# Altium PCB PCB1.PcbDoc (part 2 of 2)
Units mil, origin at the board's own origin, x right, y up, seen from the top; angles counter-clockwise.
Board outline 3031.5 x 3622.05 mil, 2 copper layers (Top Layer, Bottom Layer); 135 components, 132 nets, 565 pads, 121 vias.
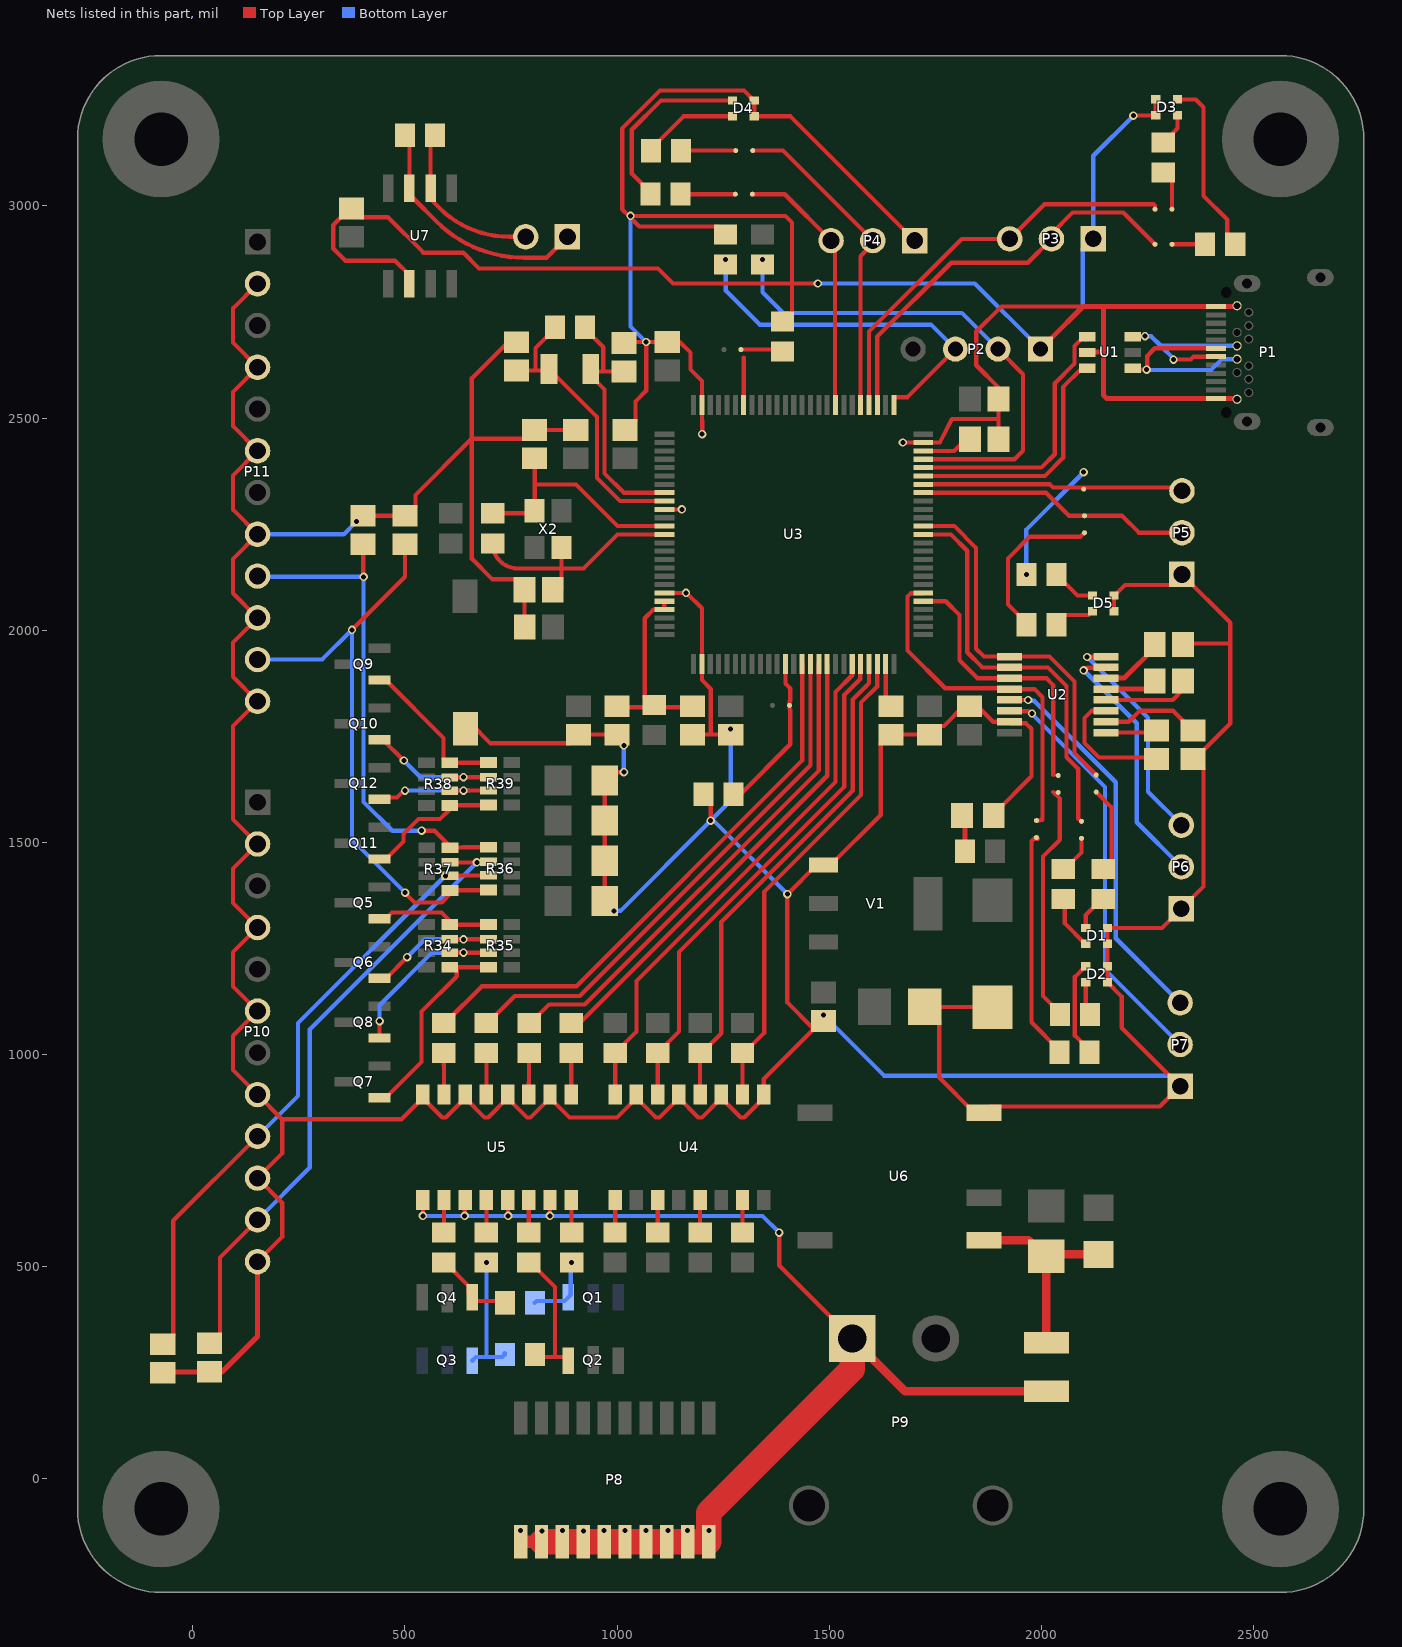
[diagram p2: the nets of this part, all layers, seen from the top]

## Via types
v1: diameter 19.68, hole 11.81, Top Layer to Bottom Layer, tented both sides, 121 vias

## Nets (pads, with @x,y where several pads share a name; then routed paths per layer and width w, separated by ;. In a path a pad name is that pad's centre, name@x,y a point inside that pad or via, vN(x,y) a via of type N, cw(c..) or ccw(c..) an arc to the next point about the centre after c; other vN are vias at no path point) (continued)
GND: C1.1 C3.1 C5.1 C6.1 C7.2 C8.2 C9.2 C10.2 C11.2 C12.2 C13.2 C14.2 C15.2 C16.1 C17.1 C18.1 C20.1 C21.2 C22.2 C24.2 C25.1 C26.2 C27.2 C28.2 C29.2 C30.2 C31.2 D1.1 D1.2 D2.1 D2.2 D3.1 D3.2 D4.1 D4.2 D5.1 D5.2 D7.2 D8.1 D9.1 D10.1 D11.1 P1.A1 P1.A12 P1.B1 P1.B12 P2.1 P3.1 P4.1 P5.1 P6.1 P7.1 P10.2 P10.4 P10.6 P10.8 P10.10 P10.12 P11.2 P11.4 P11.6 P11.8 P11.10 P11.12 R1.2 R7.2 R9.2 SW1.1 U1.2 U2.15 U3.10 U3.20 U3.27 U3.74 U3.99 U4.9 U4.11 U4.13 U4.15 U5.2 U5.4 U5.6 U5.8 U6.4 U7.2 V1.1 | length 21663.6
  Top Layer w10: P10.12@152.54,511.94 210.6,569.99 210.6,650.73 P10.10@152.54,708.79 210.6,766.84 210.6,847.58 ; P11.2@152.54,2816.58 94.49,2758.53 94.49,2677.79 P11.4@152.54,2619.73 94.49,2561.68 94.49,2480.94 P11.6@152.54,2422.88 94.49,2364.83 94.49,2284.09 P11.8@152.54,2226.03 94.49,2167.98 94.49,2087.24 P11.10@152.54,2029.18 94.49,1971.13 94.49,1890.39 P11.12@152.54,1832.33 94.49,1774.28 94.49,1554.24 P10.2@152.54,1496.19 94.49,1438.13 94.49,1357.39 P10.4@152.54,1299.34 94.49,1241.28 94.49,1160.54 P10.6@152.54,1102.49 94.49,1044.43 94.49,963.69 P10.8@152.54,905.64 210.6,847.58 ; C29.2@401.57,2269.69 C30.2@500,2269.69 503.94,2269.69 524.53,2290.28 524.53,2318.55 657.48,2451.5 ; U7.2@510.43,2816.93 510.43,2836.93 476.64,2870.72 359.78,2870.72 330.91,2899.59 330.91,2954.93 370.08,2994.09 C31.2@374.02,2994.09 394.61,2973.5 459.57,2973.5 543.31,2889.76 637.25,2889.76 674.66,2852.36 1096.46,2852.36 1131.63,2817.19 1412.32,2817.19 ; U5.8@541.94,905.4 U5.8@541.94,897.53 ; U5.6@641.94,905.4 U5.6@641.94,897.53 ; SW1.1@653.79,1790.93 653.79,1781.09 701.53,1733.35 888.86,1733.35 C18.1@909.45,1753.94 C15.2@1000,1753.94 ; 657.48,2454.18 657.48,2593.62 742.65,2678.79 C8.2@762.7,2678.79 ; C6.1@781.95,2007.87 781.5,2008.33 C22.2@781.5,2095.39 781.5,2099.33 760.91,2119.92 706.26,2119.92 657.48,2168.69 657.48,2451.5 ; U5.2@841.94,905.4 U5.2@841.94,897.53 ; C17.1@902.46,2472.09 C21.2@805.69,2472.09 785.1,2451.5 657.48,2451.5 ; D11.1@970.72,1338.58 D11.1@970.72,1362.2 D10.1@970.72,1456.69 D9.1@970.72,1551.18 D8.1@970.72,1645.67 991.53,1666.48 992.66,1665.35 v1(1015.75,1665.35) ; C7.2@1016.32,2676.82 1018.64,2679.13 v1(1068.37,2679.13) ; C16.1@1018.69,2472.09 1022.63,2472.09 1043.22,2492.68 1043.22,2539.31 1068.37,2564.47 v1(1068.37,2679.13) ; U4.15@1045.46,905.4 U4.15@1045.46,897.53 ; U3.20@1111.2,2087.89 v1(1162.38,2087.89) 1163.59,2087.89 1199.79,2051.69 U3.27@1199.79,1920.57 1199.79,1882.49 1220.6,1861.67 1220.6,1753.94 ; U3.10@1111.2,2284.74 v1(1152.32,2284.74) ; C20.1@1177.17,1753.94 1220.6,1753.94 ; v1(1200.33,2461.91) U3.99@1199.79,2530.8 1199.79,2587.61 1172.6,2614.8 1172.6,2654.17 1147.64,2679.13 C12.2@1118.11,2679.13 v1(1068.37,2679.13) ; R9.2@1203.74,1613.19 1220.6,1596.32 v1(1220.6,1551.18) ; R1.2@1255.46,2933.07 1236.84,2951.69 1052.24,2951.69 v1@1027.56,2976.38 ; C13.2@1267.72,1753.94 1220.6,1753.94 ; U4.9@1345.46,897.53 1299.65,851.73 1291.26,851.73 1245.46,897.53 1199.65,851.73 1191.26,851.73 1145.46,897.53 1099.65,851.73 1091.26,851.73 U4.15@1045.46,897.53 ; U4.9@1345.46,905.4 1345.46,942.04 1463.52,1060.1 1401.14,1122.48 v1(1401.14,1377.92) 1469.65,1446.42 V1.1@1486.38,1446.42 1503.11,1446.42 1621.14,1564.45 1621.14,1733.35 1641.73,1753.94 C9.2@1645.67,1753.94 C14.2@1736.22,1753.94 1756.81,1774.53 1770.03,1774.53 1816.37,1820.87 C1.1@1830.71,1820.87 1849.27,1820.87 1885.75,1784.38 U2.15@1924.19,1784.38 1928.05,1780.52 1963.57,1780.52 1976.38,1767.72 1976.38,1655.83 1887.8,1567.24 D7.2@1887.8,1563.31 ; R7.2@1389.76,2727.69 1393.7,2727.69 1412.32,2746.31 1412.32,2817.19 ; v1(1473.18,2817.19) 1412.32,2817.19 ; v1(1673.23,2442.22) U3.74@1721.44,2442.22 1760.24,2442.22 1789,2497.69 1898.61,2497.69 ; P4.1@1701.05,2918.29 1408.29,3211.05 D4.1@1322.99,3211.05 D4.2@1322.99,3248.45 1322,3248.45 1298.8,3271.65 1101.25,3271.65 1011.81,3182.21 1011.81,2992.13 v1@1027.56,2976.38 ; C24.2@1724.67,1112.49 C24.2@1725.3,1111.86 ; C26.2@1884.83,1111.86 C24.2@1725.3,1111.86 ; C10.2@1898.61,2450.05 1898.61,2497.69 ; P2.1@1997.64,2662.38 P2.1@2022.17,2686.91 ; 2098.03,2762.78 1905.51,2762.78 1846.46,2703.72 1846.46,2624.28 1898.61,2572.13 C11.2@1898.61,2544.54 1898.61,2497.69 ; D5.1@2171.26,2044.29 D5.2@2171.26,2081.69 2172.24,2081.69 2197.09,2106.54 2306.15,2106.54 P5.1@2331.15,2131.54 2444.88,2017.81 2444.88,1968.5 ; v1(2216.54,3212.6) 2217.03,3213.09 2269.02,3213.09 D3.2@2269.51,3213.58 D3.1@2269.51,3250.98 ; C5.1@2333.65,1966.47 2335.68,1968.5 2444.88,1968.5 ; C3.1@2374.71,1679.06 C3.1@2357.27,1696.5 C3.1@2361.2,1696.5 ; 210.6,847.58 491.99,847.58 U5.8@541.94,897.53 ; U5.8@541.94,897.53 587.74,851.73 596.13,851.73 U5.6@641.94,897.53 ; U5.6@641.94,897.53 687.74,851.73 696.13,851.73 741.94,897.53 787.74,851.73 796.13,851.73 U5.2@841.94,897.53 ; U5.2@841.94,897.53 887.74,851.73 999.65,851.73 U4.15@1045.46,897.53 ; v1@1027.56,2976.38 v1(1031.5,2976.38) 1396.4,2976.38 1412.32,2960.46 1412.32,2817.19 ; C24.2@1725.3,1111.86 1759.04,1078.12 1759.04,946.08 1842.52,862.6 U6.4@1864.17,862.6 1878.86,877.28 2278.86,877.28 P7.1@2326.77,925.2 2188.98,1062.99 2188.98,1136.81 D2.1@2155.51,1170.28 D2.2@2155.51,1207.68 D1.1@2155.51,1260.83 D1.2@2155.51,1298.23 2284.22,1298.23 P6.1@2329.71,1343.71 2381.8,1395.8 2381.8,1675.91 C3.1@2361.2,1696.5 ; C3.1@2361.2,1696.5 2444.88,1780.18 2444.88,1968.5
  Top Layer w11.81: C27.2@-70.87,250 -69.09,251.77 68.7,251.77 152.54,335.61 P10.12@152.54,511.94 ; P2.1@2022.17,2686.91 2098.03,2762.78 2145.67,2762.78 ; U1.2@2107.78,2654.51 2108.78,2655.51 2145.67,2655.51 ; P1.A12@2410.06,2762.78 2145.67,2762.78 ; P1.A12@2411.42,2762.78 2456.39,2762.78 2457,2763.39 P1.B1@2461.02,2763.39 ; P1.B12@2461.02,2542.91 2458.36,2542.91 2455.03,2546.24 P1.A1@2411.42,2546.24 2153.54,2546.24 2145.67,2554.12 2145.67,2655.51 ; 2145.67,2655.51 2145.67,2762.78
  Bottom Layer w10: P11.8@152.54,2226.03 355.95,2226.03 v1(385.83,2255.91) ; v1(992.13,1338.58) 1008.01,1338.58 v1(1220.6,1551.18) ; v1@1016.14,1728.35 v1(1015.75,1728.35) v1(1015.75,1665.35) v1@1021.5,1665.35 ; v1(1031.5,2976.38) 1031.5,2716.01 v1(1068.37,2679.13) ; v1(1267.72,1767.72) 1267.72,1598.29 v1(1220.6,1551.18) ; v1(1401.14,1377.92) 1229.73,1549.33 1222.46,1549.33 v1(1220.6,1551.18) ; v1(1473.18,2817.19) 1842.84,2817.19 P2.1@1997.64,2662.38 2097.05,2761.79 2097.05,2897.23 P3.1@2122.05,2922.23 2122.05,3118.11 v1(2216.54,3212.6) ; v1(1486.38,1092.8) 1628.99,950.2 2301.77,950.2 P7.1@2326.77,925.2
IN0: R13.1 U3.45 U4.16 | length 1246.6
  Top Layer w10: U4.16@995.46,905.4 995.46,934.02 R13.1@995.46,1003.91 1045.46,1053.91 1045.46,1173.06 1514.92,1642.53 1514.92,1854.51 1554.12,1893.7 U3.45@1554.12,1920.57
IN1: R15.1 U3.46 U4.14 | length 1213.3
  Top Layer w10: U4.14@1095.46,905.4 R15.1@1095.46,1003.91 1145.67,1054.12 1145.67,1241.53 1535.43,1631.29 1535.43,1847.88 1572.8,1885.25 1572.8,1919.57 U3.46@1573.8,1920.57
IN2: R17.1 U3.47 U4.12 | length 1182.3
  Top Layer w10: U4.12@1195.46,905.4 1195.46,934.02 R17.1@1195.46,1003.91 1199.39,1003.91 1245.46,1049.97 1245.46,1312.48 1555.12,1622.15 1555.12,1836.61 1593.49,1874.98 U3.47@1593.49,1920.57
IN3: R19.1 U3.48 U4.10 | length 1149.1
  Top Layer w10: U4.10@1295.46,905.4 1295.46,934.02 R19.1@1295.46,1003.91 1299.39,1003.91 1346.46,1050.97 1346.46,1383.44 1574.8,1611.78 1574.8,1829.27 1613.17,1867.64 U3.48@1613.17,1920.57
NetC2_1: C2.1 U2.1 | length 118.1
  Top Layer w10: U2.1@2152.55,1758.79 2152.62,1758.87 C2.1@2270.65,1758.87
NetC2_2: C2.2 U2.3 | length 300.9
  Top Layer w10: U2.3@2152.55,1809.97 2118.09,1809.97 2101.36,1793.24 2101.36,1733.91 2135.53,1699.74 C2.2@2270.65,1699.74
NetC3_2: C3.2 U2.2 | length 240.1
  Top Layer w10: U2.2@2156.4,1788.24 U2.2@2152.55,1784.38 2205.64,1784.38 2231.23,1809.97 2310.73,1809.97 C3.2@2357.27,1763.43
NetC4_1: C4.1 U2.5 | length 118.7
  Top Layer w11.81: U2.5@2152.55,1861.15 2255.89,1861.15 C4.1@2266.72,1871.98
NetC4_2: C4.2 U2.4 | length 203.3
  Top Layer w10: U2.4@2152.55,1835.56 2309.32,1835.56 2333.65,1859.89 C4.2@2333.65,1871.98
NetC5_2: C5.2 U2.6 | length 143.9
  Top Layer w11.81: U2.6@2152.55,1886.74 2153.53,1887.73 2195.85,1887.73 C5.2@2266.72,1958.6
NetC7_1: C7.1 R10.2 U3.8 X1.2 | length 622.8
  Top Layer w10: R10.2@923.95,2714.22 923.95,2710.28 967.51,2666.73 967.51,2609.89 ; C7.1@1016.32,2609.89 967.51,2609.89 ; U3.8@1111.2,2324.11 1015.88,2324.11 970.26,2369.73 970.26,2567.52 937.73,2600.05 X1.2@937.73,2615.8 943.64,2609.89 967.51,2609.89
NetC8_1: C8.1 R10.1 U3.9 X1.1 | length 684.5
  Top Layer w10: C8.1@762.7,2611.86 807.58,2611.86 ; R10.1@853.09,2714.22 853.09,2710.28 807.58,2664.78 807.58,2611.86 ; U3.9@1111.2,2304.43 1006.93,2304.43 952.26,2359.09 952.26,2502.84 X1.1@839.31,2615.8 835.37,2611.86 807.58,2611.86
NetC9_1: C9.1 U3.49 | length 105
  Top Layer w10: U3.49@1632.86,1920.57 1632.86,1833.68 C9.1@1645.67,1820.87
NetC10_1: C10.1 U3.73 | length 121.6
  Top Layer w10: U3.73@1721.44,2422.54 1794.45,2422.54 1821.96,2450.05 C10.1@1831.68,2450.05
NetC15_1: C15.1 C20.2 R11.2 U3.21 U3.22 | length 450
  Top Layer w10: C15.1@996.06,1818.44 R11.2@1070.25,1818.44 ; R11.2@1087.62,1818.44 C20.2@1172.7,1818.44 ; R11.2@1087.62,1823.41 1083.68,1823.41 1065.06,1842.03 1065.06,2028.2 1085.38,2048.52 U3.22@1111.2,2048.52 U3.21@1111.2,2068.21
NetC21_1: C21.1 R12.2 U3.12 X2.3 | length 570.5
  Top Layer w10: R12.2@706.6,2275.61 791.6,2275.61 ccw(c791.6,2295.54) X2.3@805.69,2281.44 805.69,2343.31 ; C21.1@805.69,2405.17 805.69,2343.31 ; U3.12@1111.2,2245.37 1001.07,2245.37 903.13,2343.31 805.69,2343.31
NetC22_1: C22.1 R12.1 U3.13 X2.1 | length 571.5
  Top Layer w10: R12.1@706.6,2204.74 ccw(c765.71,2204.74) 765.71,2145.63 868.68,2145.63 ; C22.1@867.65,2095.39 ccw(c867.65,2096.42) 868.68,2096.42 868.68,2145.63 ; X2.1@868.68,2194.83 868.68,2145.63 ; U3.13@1111.2,2225.69 1001.11,2225.69 921.05,2145.63 868.68,2145.63
NetC23_2: C23.2 D6.1 F1.2 U6.1 | length 495.7
  Top Layer w20: U6.1@1864.17,562.6 1969.46,562.6 C23.2@2003.15,528.91 ; F1.2@2011.03,321.65 C23.2@2011.03,521.03 ; C23.2@2018.63,528.91 D6.1@2134.3,528.91
  Top Layer w35: F1.2@2011.03,321.65 F1.2@2011.81,320.87 ; C23.2@2011.03,521.03 2003.15,528.91 C23.2@2018.63,528.91
NetC27_1: C27.1 P10.9 R36.3 R37.2 | length 1499.7
  Top Layer w10: C27.1@-70.87,316.93 -66.93,316.93 -46.34,337.52 -46.34,608.33 P10.9@152.54,807.21 ; R37.2@605.76,1425.2 607.14,1423.82 608.52,1425.2 612.46,1421.26 613.32,1422.12 R36.3@691.01,1422.12 ; R36.3@696.85,1422.43 694.09,1425.2 R36.3@691.01,1422.12 ; R36.3@711.6,1422.12 R36.3@691.01,1422.12
  Bottom Layer w10: P10.9@152.54,807.21 248.03,902.7 248.03,1074.21 v1(595.07,1421.26)
NetC28_1: C28.1 P10.11 R36.2 R37.3 | length 1493
  Top Layer w10: C28.1@39.37,319.6 43.31,319.6 63.9,340.19 63.9,521.72 P10.11@152.54,610.36 ; R37.3@605.76,1456.69 607.14,1455.31 608.52,1456.69 612.46,1452.75 v1(669.29,1452.76) 690.14,1452.76 694.09,1456.69 R36.2@696.85,1453.93
  Bottom Layer w10: P10.11@152.54,610.36 275.59,733.41 275.59,1059.06 v1(669.29,1452.76)
NetC29_1: C29.1 P11.9 R36.1 R37.4 | length 1203.1
  Top Layer w10: C29.1@401.57,2202.76 401.57,2126.97 v1(402.56,2125.98) ; v1(539.37,1527.56) 569.48,1527.56 606.3,1490.74 R37.4@606.3,1487.2 606.79,1487.7 635.73,1487.7 636.32,1488.28 696.76,1488.28 R36.1@696.85,1488.38 R36.1@695.47,1489.76
  Bottom Layer w10: P11.9@152.54,2127.61 153.7,2128.76 156.48,2125.98 v1(402.56,2125.98) 402.56,1595.22 470.22,1527.56 v1(539.37,1527.56)
NetC30_1: C30.1 P11.11 R36.4 R37.1 | length 1402.1
  Top Layer w10: v1(375,2000.98) 500,2125.98 C30.1@500,2202.76 ; v1(500.43,1381.65) 500.43,1380.49 522.65,1358.27 586.61,1358.27 606.3,1377.95 R37.1@606.3,1386.81 606.89,1387.4 692.71,1387.4 695.07,1389.76 R36.4@696.85,1387.99
  Bottom Layer w10: P11.11@152.54,1930.76 304.77,1930.76 v1(375,2000.98) 375,1507.08 v1(500.43,1381.65)
NetD1_3: D1.3 R3.2 | length 87.3
  Top Layer w10: D1.3@2104.33,1298.23 2104.33,1328.74 2141.73,1366.14 R3.2@2145.67,1366.14
NetD1_4: D1.4 R4.2 | length 130.2
  Top Layer w10: R4.2@2051.18,1366.14 2055.12,1366.14 2055.12,1309.05 2103.35,1260.83 D1.4@2104.33,1260.83
NetD2_3: D2.3 R40.2 | length 227.7
  Top Layer w10: D2.3@2104.33,1207.68 2103.35,1207.68 2078.74,1183.07 2078.74,1044.47 2113.69,1009.52 R40.2@2113.69,1005.58
NetD2_4: D2.4 R41.2 | length 79.9
  Top Layer w10: D2.4@2104.33,1170.28 2104.33,1104.33 R41.2@2114.17,1094.49
NetD3_3: D3.3 R43.1 | length 81.1
  Top Layer w10: R43.1@2287.4,3149.61 2291.34,3149.61 2309.96,3168.23 2309.96,3172.17 2320.69,3182.9 D3.3@2320.69,3213.58 D3.3@2321.68,3213.58
NetD3_4: D3.4 R42.1 | length 422.9
  Top Layer w10: D3.4@2320.69,3250.98 2363.5,3250.98 2381.89,3232.6 2381.89,3023.62 2438.07,2967.44 2438.07,2928.07 R42.1@2456.69,2909.45
NetD4_3: D4.3 R45.1 | length 435.8
  Top Layer w10: R45.1@1078.71,3027.9 1078.71,3031.83 1034.44,3076.11 1034.44,3179.38 1103.5,3248.45 D4.3@1271.81,3248.45
NetD4_4: D4.4 R44.1 | length 227.9
  Top Layer w10: R44.1@1079.71,3130.26 1079.71,3134.2 1156.56,3211.05 D4.4@1271.81,3211.05
NetD5_3: D5.3 R6.1 | length 107.8
  Top Layer w10: R6.1@2035.21,2131.42 2035.21,2127.48 2053.84,2108.86 2057.77,2108.86 2084.94,2081.69 D5.3@2120.08,2081.69
NetD5_4: D5.4 R5.1 | length 100
  Top Layer w10: R5.1@2035.21,2013.31 2035.21,2017.24 2053.84,2035.87 2110.67,2035.87 2119.09,2044.29 D5.4@2120.08,2044.29
NetD7_1: D7.1 R33.2 | length 87.2
  Top Layer w11.81: D7.1@1812.99,1563.31 1819.9,1556.4 R33.2@1819.9,1479.01
NetP1_A6: P1.A6 P1.B6 U1.6 | length 403.1
  Top Layer w10: U1.6@2215.06,2691.91 2243.09,2691.91 v1(2244.09,2692.91) ; v1(2311.02,2637.8) 2351.73,2637.8 2358.6,2644.67 P1.A6@2411.42,2644.67
  Bottom Layer w10: v1(2244.09,2692.91) 2258.53,2692.91 2281.18,2670.26 ; v1@2312.33,2639.11 2281.18,2670.26 ; P1.B6@2461.02,2670.26 2281.18,2670.26
NetP1_A7: P1.A7 P1.B7 U1.4 | length 461.6
  Top Layer w10: U1.4@2215.06,2617.11 2216.06,2618.11 2220,2614.17 v1(2248.03,2614.17) 2249.2,2615.34 2249.2,2646.47 2267.08,2664.35 P1.A7@2411.42,2664.35
  Bottom Layer w10: v1(2248.03,2614.17) 2249.25,2612.95 2399.39,2612.95 2425.2,2638.76 P1.B7@2461.02,2638.76
NetP6_2: P6.2 U2.7 | length 614.5
  Top Layer w10: v1(2099.55,1905.51) 2102.17,1905.51 2108.02,1911.36 2151.57,1911.36 U2.7@2152.55,1912.34
  Bottom Layer w10: v1(2099.55,1905.51) 2224.41,1780.65 2224.41,1547.44 P6.2@2329.71,1442.14
NetP6_3: P6.3 U2.8 | length 533.5
  Top Layer w10: v1(2107.78,1937.01) 2108.24,1937.47 2152.09,1937.47 U2.8@2152.55,1937.93
  Bottom Layer w10: v1(2107.78,1937.01) 2250.97,1793.82 2250.97,1619.3 P6.3@2329.71,1540.56
NetP7_2: P7.2 U2.14 | length 980.7
  Top Layer w10: U2.14@1924.19,1809.97 1925.17,1809 1969.74,1809 1975.08,1803.66 v1(1977.7,1803.66)
  Bottom Layer w10: v1(1977.7,1803.66) 1977.7,1802.64 2149.61,1630.73 2149.61,1200.79 P7.2@2326.77,1023.62
NetP7_3: P7.3 U2.13 | length 913.5
  Top Layer w10: U2.13@1924.19,1835.56 v1(1968.5,1835.56)
  Bottom Layer w10: v1(1968.5,1835.56) 1970.36,1833.71 1982.78,1833.71 2174.92,1641.57 2174.92,1273.9 P7.3@2326.77,1122.05
NetP12_1: P12.1 R46.1 U7.7 | length 584.2
  Top Layer w10: R46.1@500,3166.34 510.43,3155.91 U7.7@510.43,3041.34 ccw(c545.13,3041.34) 520.59,3016.81 574.1,2963.31 ccw(c780.16,3169.37) 780.16,2877.95 833.62,2877.95 P12.1@882.86,2927.19
NetP12_2: P12.2 R46.2 U7.6 | length 405.3
  Top Layer w10: R46.2@570.87,3166.34 560.43,3155.91 U7.6@560.43,3041.34 560.43,3016.24 581.39,2995.28 ccw(c745.78,3159.67) 745.78,2927.19 P12.2@784.43,2927.19
NetQ1_1: Q1.1 R21.1 R24.1 | length 169
  Bottom Layer w10: R21.1@806.09,415.01 810.1,419.03 876.05,419.03 Q1.1@884.83,427.81 890.85,433.83 890.85,507.64 v1(892.7,509.5)
NetQ2_1: Q2.1 R22.1 R26.1 | length 335.1
  Top Layer w10: R26.1@791.94,509.5 795.87,509.5 853.33,452.04 853.33,286.98 ; R22.1@806.09,292.96 812.07,286.98 853.33,286.98 ; Q2.1@884.83,278.2 876.05,286.98 853.33,286.98
NetQ3_1: Q3.1 R27.1 R30.1 | length 311.1
  Top Layer w10: v1(691.94,509.5) R30.1@695.87,509.5
  Bottom Layer w10: Q3.1@658.54,278.2 667.32,286.98 691.94,286.98 729.24,286.98 R27.1@735.22,292.96 R27.1@735.22,296.9 ; 691.94,289.02 v1(691.94,509.5)
NetQ4_1: Q4.1 R28.1 R32.1 | length 193.9
  Top Layer w10: R32.1@591.14,509.5 595.07,509.5 649.76,454.81 649.76,436.58 Q4.1@658.54,427.81 667.32,419.03 731.2,419.03 R28.1@735.22,415.01
NetQ5_1: Q5.1 R34.4 R35.1 | length 279.7
  Top Layer w10: Q5.1@440.19,1320.18 455.19,1320.18 469.67,1334.65 586.08,1334.65 605.76,1314.97 R34.4@605.76,1306.1 R35.1@696.85,1306.1
NetQ6_1: Q6.1 R34.3 R35.2 | length 311.8
  Top Layer w10: Q6.1@455.19,1179.57 v1(505,1229.38) ; R34.3@605.76,1271.65 630.44,1271.65 v1(637.8,1271.65) R35.2@696.85,1271.65
  Bottom Layer w10: v1(505,1229.38) 547.28,1271.65 v1(637.8,1271.65)
NetQ7_1: Q7.1 R34.1 R35.4 | length 482.6
  Top Layer w10: Q7.1@440.19,898.36 455.19,898.36 539.01,982.17 539.01,1101.23 622.05,1184.27 R34.1@622.05,1205.71 ; R34.1@605.76,1205.71 R34.1@622.05,1205.71 ; R35.4@696.85,1205.71 R34.1@622.05,1205.71
NetQ8_1: Q8.1 R34.2 R35.3 | length 432.3
  Top Layer w10: v1(440.19,1078.74) Q8.1@440.19,1038.97 Q8.1@455.19,1038.97 ; R34.2@605.76,1240.16 672.17,1240.16 R35.3@696.85,1240.16
  Bottom Layer w10: v1(440.19,1078.74) 440.19,1116.3 564.06,1240.16 v1(637.8,1240.16)
NetQ9_1: Q9.1 R38.4 R39.1 | length 367.6
  Top Layer w10: Q9.1@440.2,1882.6 454.61,1882.6 591.07,1746.14 591.07,1695.29 598.87,1687.49 R38.4@605.76,1687.49 606.14,1687.87 696.47,1687.87 R39.1@696.85,1688.25
NetQ10_1: Q10.1 R38.3 R39.2 | length 326.9
  Top Layer w10: Q10.1@440.2,1741.99 446.22,1743.84 v1(497.15,1692.91) ; R38.3@605.76,1653.05 606.26,1653.54 v1(637.8,1653.54) 696.35,1653.54 696.47,1653.42 R39.2@696.85,1653.8
  Bottom Layer w10: v1(497.15,1692.91) 536.64,1653.42 536.76,1653.54 v1(637.8,1653.54)
NetQ11_1: Q11.1 R38.1 R39.4 | length 324.9
  Top Layer w10: Q11.1@440.2,1460.78 455.2,1460.78 496.5,1502.08 496.5,1519.82 531.8,1555.12 582.68,1555.12 605.76,1578.2 R38.1@605.76,1587.1 606.14,1587.48 696.47,1587.48 R39.4@696.85,1587.86
NetQ12_1: Q12.1 R38.2 R39.3 | length 324.6
  Top Layer w10: Q12.1@440.2,1601.39 444.67,1605.86 481.2,1605.86 497.38,1622.05 v1(500,1622.05) ; R38.2@605.76,1621.55 606.26,1622.05 v1(637.8,1622.05) 696.35,1622.05 696.47,1621.93 R39.3@696.85,1622.31
  Bottom Layer w10: v1(500,1622.05) 500.06,1621.99 651.24,1621.99 651.19,1622.05 v1(637.8,1622.05)
NetR3_1: R3.1 SB7.1 | length 205.6
  Top Layer w10: SB7.1@2129.08,1618.79 2165.35,1582.51 2165.35,1455.63 2146.73,1437.01 R3.1@2145.67,1437.01
NetR4_1: R4.1 SB8.1 | length 92.8
  Top Layer w10: R4.1@2051.18,1437.01 2055.12,1437.01 2094.49,1476.38 SB8.1@2094.49,1509.6
NetR5_2: R5.2 SB5.2 | length 378.9
  Top Layer w10: R5.2@1964.35,2013.31 1964.35,2017.24 1921.26,2060.33 1921.26,2169.29 1972.44,2220.47 2092.18,2220.47 SB5.2@2101.36,2229.65
NetR6_2: R6.2 SB6.2 | length 296.9
  Bottom Layer w10: v1(1964.35,2131.42) 1964.35,2237.16 v1(2099.55,2372.36)
NetR7_1: R7.1 SB11.2 U3.94 | length 211.6
  Top Layer w10: SB11.2@1291.65,2661.42 1385.17,2661.42 R7.1@1389.76,2656.83 ; U3.94@1298.21,2530.8 1298.21,2642.35
NetR9_1: R9.1 SB12.2 U3.37 | length 378.2
  Top Layer w10: R9.1@1274.61,1613.19 1290.09,1613.19 1408.14,1731.24 1408.14,1812.05 1406.49,1813.7 1406.49,1822.49 SB12.2@1406.14,1822.83 1406.49,1823.18 1406.49,1831.97 1408.14,1833.62 1408.14,1862.59 1396.64,1874.1 U3.37@1396.64,1920.57
NetR14_1: R14.1 U4.1 | length 77
  Top Layer w10: R14.1@995.46,580.36 U4.1@995.46,657.37
NetR16_1: R16.1 U4.3 | length 77
  Top Layer w10: R16.1@1095.46,580.36 U4.3@1095.46,657.37
NetR18_1: R18.1 U4.5 | length 77
  Top Layer w10: R18.1@1195.46,580.36 1195.46,608.98 U4.5@1195.46,657.37
NetR20_1: R20.1 U4.7 | length 77
  Top Layer w10: R20.1@1295.46,580.36 1295.46,608.98 U4.7@1295.46,657.37
NetR23_1: R23.1 U5.1 | length 98.5
  Top Layer w10: R23.1@891.87,1003.91 891.87,975.28 891.94,975.22 U5.1@891.94,905.4
NetR24_2: R24.2 U5.16 | length 77.3
  Top Layer w10: U5.16@891.94,657.37 892.7,656.61 R24.2@892.7,580.36
NetR25_1: R25.1 U5.3 | length 98.7
  Top Layer w10: U5.3@791.94,905.4 791.94,934.02 792.5,934.59 R25.1@792.5,1003.91
NetR26_2: R26.2 U5.14 | length 77
  Top Layer w10: R26.2@791.94,580.36 791.94,628.75 U5.14@791.94,657.37
NetR29_1: R29.1 U5.5 | length 98.5
  Top Layer w10: U5.5@691.94,905.4 R29.1@691.91,1003.91
NetR30_2: R30.2 U5.12 | length 77
  Top Layer w10: R30.2@691.94,580.36 691.94,608.98 U5.12@691.94,657.37
NetR31_1: R31.1 U5.7 | length 98.8
  Top Layer w10: R31.1@591.14,1003.91 591.14,975.28 591.94,974.49 U5.7@591.94,905.4
NetR32_2: R32.2 U5.10 | length 77.3
  Top Layer w10: R32.2@591.14,580.36 591.14,595.31 591.94,596.11 U5.10@591.94,657.37
NetR40_1: R40.1 SB9.1 | length 542.7
  Top Layer w10: SB9.1@1992.13,1508.6 1982.45,1508.6 1976.38,1502.53 1976.38,1075.96 2042.82,1009.52 R40.1@2042.82,1005.58
NetR41_1: R41.1 SB10.1 | length 563.4
  Top Layer w10: 2027.56,1618.79 2043.31,1603.04 2043.31,1506.25 2003.94,1466.88 2003.94,1137.8 2043.31,1098.43 R41.1@2043.31,1094.49
NetR42_2: R42.2 SB1.1 | length 78.1
  Top Layer w10: SB1.1@2307.72,2909.45 R42.2@2385.83,2909.45
NetR43_2: R43.2 SB2.1 | length 101.3
  Top Layer w10: R43.2@2291.34,3074.8 R43.2@2287.4,3078.74 2288.78,3078.74 2307.4,3060.12 SB2.1@2307.4,2992.13
NetR44_2: R44.2 SB3.1 | length 129
  Top Layer w10: R44.2@1150.57,3130.26 SB3.1@1279.56,3130.26
NetR45_2: R45.2 SB4.1 | length 129.1
  Top Layer w10: R45.2@1149.57,3027.9 1149.89,3027.58 SB4.1@1278.56,3027.58
OUT0: R23.2 U3.42 | length 1108
  Top Layer w10: R23.2@891.87,1074.77 912.88,1074.77 1495.06,1656.96 U3.42@1495.06,1920.57
OUT1: R25.2 U3.41 | length 1180.2
  Top Layer w10: R25.2@792.5,1074.77 796.44,1074.77 839.78,1118.11 923.78,1118.11 1475.38,1669.71 U3.41@1475.38,1920.57
OUT2: R29.2 U3.40 | length 1254
  Top Layer w10: R29.2@691.91,1074.77 695.85,1074.77 758.87,1137.8 911.76,1137.8 1455.69,1681.72 U3.40@1455.69,1920.57
OUT3: R31.2 U3.39 | length 1328.6
  Top Layer w10: R31.2@591.14,1074.77 595.07,1074.77 681.15,1160.85 903.94,1160.85 1436.01,1692.91 U3.39@1436.01,1920.57
PWRGND: F1.1 P8.1 P8.3 P8.5 P8.7 P8.9 P8.11 P8.13 P8.15 P8.17 P8.19 P9.1 U5.9 U5.11 U5.13 U5.15 | length 2899.8
  Top Layer w10: U5.9@541.94,657.37 542.31,657 v1(542.31,619.73) ; v1(640.73,619.73) 640.73,656.17 U5.11@641.94,657.37 ; U5.13@741.94,657.37 743.09,656.21 v1(743.09,619.73) ; v1(841.52,619.73) 841.52,656.95 U5.15@841.94,657.37 ; v1(1381.89,580.36) 1381.89,503.06 P9.1@1554.12,330.84
  Top Layer w20: P9.1@1554.12,330.84 1678.61,206.35 F1.1@2011.81,206.35
  Top Layer w30: P8.1@772.62,-147.98 P8.3@821.83,-147.98
  Top Layer w60: P8.3@821.83,-147.98 P8.5@871.04,-147.98 P8.7@920.26,-147.98 P8.9@969.47,-147.98 P8.11@1018.68,-147.98 P8.13@1067.89,-147.98 P8.15@1117.11,-147.98 P8.17@1166.32,-147.98 P8.19@1215.53,-147.98 1215.53,-79.74 1554.12,258.84 P9.1@1554.12,330.84
  Bottom Layer w10: v1(542.31,619.73) v1(640.73,619.73) v1(743.09,619.73) v1(841.52,619.73) 1342.52,619.73 v1(1381.89,580.36)
  other v1: 822.83,-122.69 921.26,-122.69 772.25,-122.05 871.79,-122.05 969.47,-122.05 1018.68,-122.05 1068.37,-122.05 1120.08,-122.05 1165.35,-122.05 1216.54,-122.05
SWCLK: P2.3 R1.1 U3.76 | length 911.9
  Top Layer w10: R1.1@1255.46,2846.46 1255.28,2846.27 1255.9,2845.65 v1(1255.91,2874.02) ; U3.76@1652.54,2530.8 1652.54,2548.3 1653.54,2549.3 1684.56,2549.3 P2.3@1797.64,2662.38
  Bottom Layer w10: v1(1255.91,2874.02) 1255.91,2800.29 1336.11,2720.08 1739.94,2720.08 P2.3@1797.64,2662.38
SWDIO: P2.2 R2.1 U3.72 | length 1223.2
  Top Layer w10: R2.1@1342.52,2846.46 v1(1342.52,2874.02) ; U3.72@1721.44,2402.85 1936.66,2402.85 1956.69,2422.88 1956.69,2603.33 P2.2@1897.64,2662.38
  Bottom Layer w10: v1(1342.52,2874.02) 1342.52,2796.6 1391.43,2747.69 1812.34,2747.69 P2.2@1897.64,2662.38
UART4_RX: P3.3 SB2.2 U3.79 | length 985.2
  Top Layer w10: U3.79@1593.49,2530.8 1593.49,2703.72 1811.99,2922.23 1915.39,2922.23 1920.29,2917.32 P3.3@1925.2,2922.23 2006.91,3003.94 2264.22,3003.94 2267.4,3000.75 SB2.2@2267.4,2992.13
UART4_TX: P3.2 SB1.2 U3.78 | length 974.8
  Top Layer w10: U3.78@1613.17,2530.8 1613.17,2691.91 1787.4,2866.14 1967.54,2866.14 P3.2@2023.62,2922.23 2023.62,2934.35 2073.52,2984.25 2192.91,2984.25 SB1.2@2267.72,2909.45
UART5_RX: P4.3 SB4.2 U3.83 | length 622.8
  Top Layer w10: SB4.2@1318.56,3027.58 1394.9,3027.58 P4.3@1504.2,2918.29 1513.75,2908.74 1513.75,2531.8 U3.83@1514.75,2530.8
UART5_TX: P4.2 SB3.2 U3.80 | length 770.3
  Top Layer w10: SB3.2@1319.56,3130.26 1390.65,3130.26 P4.2@1602.62,2918.29 1602.62,2910.29 1573.8,2881.47 U3.80@1573.8,2530.8
USART1_RX: P5.3 SB6.1 U3.69 | length 617.5
  Top Layer w10: U3.69@1722.44,2344.8 U3.69@1721.44,2343.8 2019.78,2343.8 2027.21,2336.36 2099.55,2336.36 2323.18,2336.36 P5.3@2331.15,2328.39
USART1_TX: P5.2 SB5.1 U3.68 | length 648.7
  Top Layer w10: U3.68@1721.44,2324.11 2010.53,2324.11 2064.99,2269.65 SB5.1@2101.36,2269.65 2189.89,2269.65 2229.58,2229.97 P5.2@2331.15,2229.97
USART3_RX: SB9.2 U2.12 U3.56 | length 834.4
  Top Layer w10: U3.56@1721.44,2087.89 1720.44,2086.89 1692.22,2086.89 1684.56,2079.23 1684.56,1952.15 1773.39,1863.32 1922.03,1863.32 U2.12@1924.19,1861.15 1983.33,1861.15 2002.54,1841.95 2002.54,1553.5 1998.98,1553.5 1997.25,1551.77 SB9.2@1988.47,1551.77
USART3_TX: SB10.2 U2.11 U3.55 | length 662.5
  Top Layer w10: U3.55@1721.44,2068.21 1774.59,2068.21 1807.08,2035.72 1807.08,1929.06 1849.39,1886.74 U2.11@1924.19,1886.74 2011.78,1886.74 2027.56,1870.96 2027.56,1658.79
USART6_RX: SB7.2 U2.9 U3.64 | length 888.7
  Top Layer w10: U3.64@1721.44,2245.37 1794.71,2245.37 1845.97,2194.11 1845.97,1956.39 1864.43,1937.93 U2.9@1924.19,1937.93 2018.69,1937.93 2077.64,1878.98 2077.64,1710.23 SB7.2@2129.08,1658.79
USART6_TX: SB8.2 U2.10 U3.63 | length 960.6
  Top Layer w10: U3.63@1721.44,2225.69 1786.75,2225.69 1825.08,2187.35 1825.08,1947.92 1860.66,1912.34 U2.10@1924.19,1912.34 2015.18,1912.34 2059.06,1868.46 2059.06,1700.79 2086.61,1673.23 2086.61,1555.46 2088.14,1555.46 2094,1549.6 SB8.2@2094.49,1549.6
USB_N: U1.3 U3.70 | length 589.5
  Top Layer w10: U3.70@1721.44,2363.17 2008.06,2363.17 2051.18,2406.28 2051.18,2573.48 2094.81,2617.11 U1.3@2107.78,2617.11
USB_P: U1.1 U3.71 | length 641.6
  Top Layer w10: U3.71@1721.44,2383.17 1999.78,2383.17 2031.18,2414.57 2031.18,2581.77 2077.64,2628.22 2077.64,2670.05 2084.71,2677.12 2084.83,2677.12 2099.62,2691.91 U1.1@2107.78,2691.91
  Top Layer w15: U1.1@2104.29,2688.43 U1.1@2107.78,2691.91
pads on no net: P1.3 P1.A2 P1.A3 P1.A5 P1.A8 P1.A10 P1.A11 P1.B2 P1.B3 P1.B5 P1.B8 P1.B10 P1.B11 P1.S1 P1.S2 P1.S3 P1.S4 P9.0 U3.1 U3.2 U3.3 U3.4 U3.5 U3.7 U3.33 U3.34 U3.35 U3.36 U3.38 U3.43 U3.44 U3.51 U3.52 U3.53 U3.54 U3.57 U3.58 U3.59 U3.60 U3.61 U3.62 U3.65 U3.66 U3.67 U3.77 U3.81 U3.82 U3.84 U3.85 U3.86 U3.87 U3.88 U3.89 U3.90 U3.91 U3.92 U3.93 U3.98 U6.8 X2.2 X2.4

## Polygon pours and split planes (outlines as drawn)
GND on Bottom Layer "Bottom Layer-No Net" (solid, pour order 18): 1101.48,2540.53 1731.16,2540.53 1731.16,1910.85 1101.48,1910.85
+24V on Bottom Layer "Bottom Layer-+24V" (solid, pour order 16): 1232.28,102.36 1232.28,428.26 1692.91,428.26 1692.91,275.59 1808.91,275.59 1808.91,511.08 1004.27,507.89 1004.27,246.7 1153.54,246.7 1153.54,161.42 1086.61,94.49 540.43,94.49 540.43,459.3 472.44,459.3 472.44,15.75 1145.67,15.75
PWRGND on Bottom Layer "Bottom Layer-PWRGND" (solid, pour order 12): 755.91,-188.98 1232.86,-188.98 1232.86,-122.69 1610.24,278.2 1610.24,385.83 1499.29,385.83 1499.29,278.2 1150.18,-106.3 755.91,-106.3
+3V3 on Top Layer "Top Layer-No Net 1" (solid, remove dead copper, pour order 20): 1101.48,2540.53 1731.16,2540.53 1731.16,1910.85 1101.48,1910.85
no net on Top Layer "Top Layer-No Net" (solid, pour order 8): 755.91,-106.3 755.91,-188.98 1232.28,-188.98 1232.28,-106.3
no net on Bottom Solder "Bottom Layer-+24V" (solid): 1232.28,102.36 1232.28,428.26 1692.91,428.26 1692.91,275.59 1808.91,275.59 1808.91,511.08 1004.27,507.89 1004.27,246.7 1153.54,246.7 1153.54,161.42 1086.61,94.49 540.43,94.49 540.43,459.3 472.44,459.3 472.44,15.75 1145.67,15.75
no net on Bottom Solder "Bottom Layer-PWRGND" (solid): 755.91,-188.98 1232.86,-188.98 1232.86,-122.69 1610.24,278.2 1610.24,385.83 1499.29,385.83 1499.29,278.2 1150.18,-106.3 755.91,-106.3

## Silkscreen, mask and mechanical layers (free items; w line width, h text height)
Top Overlay:
  the board outline again, w10
  text "CANH" at 990.87,3323.8 h60 r180
  text "RX" at 1925.2,3323.8 h60 r180
  text "TX" at 2027.56,3323.8 h60 r180
  text "GND" at 2204.72,3323.8 h60 r180
  text "CANL" at 811.02,3319.87 h60 r180
  text "RX" at 1504.2,3319.87 h60 r180
  text "TX" at 1606.56,3319.87 h60 r180
  text "GND" at 1783.72,3319.87 h60 r180
  text "RX" at 2732.72,2328.39 h60 r90
  text "TX" at 2732.72,2226.03 h60 r90
  text "GND" at 2732.72,2048.87 h60 r90
  text "RX" at 2731.28,1540.56 h60 r90
  text "TX" at 2731.28,1438.2 h60 r90
  text "GND" at 2731.28,1261.04 h60 r90
  text "RX" at 2728.35,1122.05 h60 r90
  text "TX" at 2728.35,1019.68 h60 r90
  text "GND" at 2728.35,842.52 h60 r90
  text "By ZhiGuang-Tan / At 20210703" at 1964.57,-177.17 h60
  text "24V PWR" at 1573.8,-240.16 h60
Bottom Overlay:
  text "PB8/PB9" at 835.37,3133.86 h30 r90
  text "PC10/PC11" at 1976.13,3128.9 h30 r90
  text "PC12/PD2" at 1555.13,3124.96 h30 r90
  text "PA6" at 19.68,2905.51 h30
  text "PC1" at 19.68,2708.66 h30
  text "PC2" at 19.68,2511.81 h30
  text "PC3" at 19.68,2314.96 h30
  text "PA9/PA10" at 2537.82,2277.46 h30
  text "STM32F407VGT6 / Stepper Controller" at 1720.56,2132.54 h80
  text "PC0" at 19.68,2118.11 h30
  text "PA5" at 19.68,1921.26 h30
  text "PA7" at 19.68,1585.12 h30
  text "PC6/PC7" at 2536.38,1489.63 h30
  text "PA2" at 19.68,1388.27 h30
  text "PA3" at 19.68,1191.42 h30
  text "PD8/PD9" at 2533.44,1071.11 h30
  text "PA4" at 19.68,994.57 h30
  text "PA1" at 19.68,797.72 h30
  text "PA0" at 19.68,600.87 h30
  text "PE8" at 783.46,0 h30 r90
  text "PE9" at 832.68,0 h30 r90
  text "PE10" at 881.89,0 h30 r90
  text "PE11" at 931.1,0 h30 r90
  text "PE14" at 980.31,0 h30 r90
  text "PE15" at 1029.53,0 h30 r90
  text "PB10" at 1078.74,0 h30 r90
  text "PB11" at 1127.96,0 h30 r90

## Text inside footprints (layer, text, board x,y; h text height)
P8: Top Overlay "*" at 762.62,-112.98 h50
U1: Top Overlay "*" at 2131.42,2669.51 h50
U2: Top Overlay "*" at 2113.25,1793.36 h50 r180
U3: Top Overlay "*" at 1151.32,2450.69 h50
U4: Top Overlay "*" at 1005.46,701.39 h50 r90
U5: Top Overlay "*" at 881.94,861.39 h50 r270
U6: Top Overlay "+Vo" at 1552.05,842.6 h50 r90; Top Overlay "Vin" at 1808.16,636.83 h50 r90; Top Overlay "NC" at 1552.05,552.6 h50 r90; Top Overlay "GND" at 1808.91,532.6 h50 r90; Top Overlay "0V" at 1808.91,845.6 h50 r90
U7: Top Overlay "*" at 475.43,2869.13 h30 r90
X1: Top Overlay "*" at 818.52,2555.8 h50
X2: Top Overlay "*" at 917.19,2163.14 h30 r90